# Altium PCB LAB_B3_209_V2.PcbDoc (part 1 of 4) (continued)
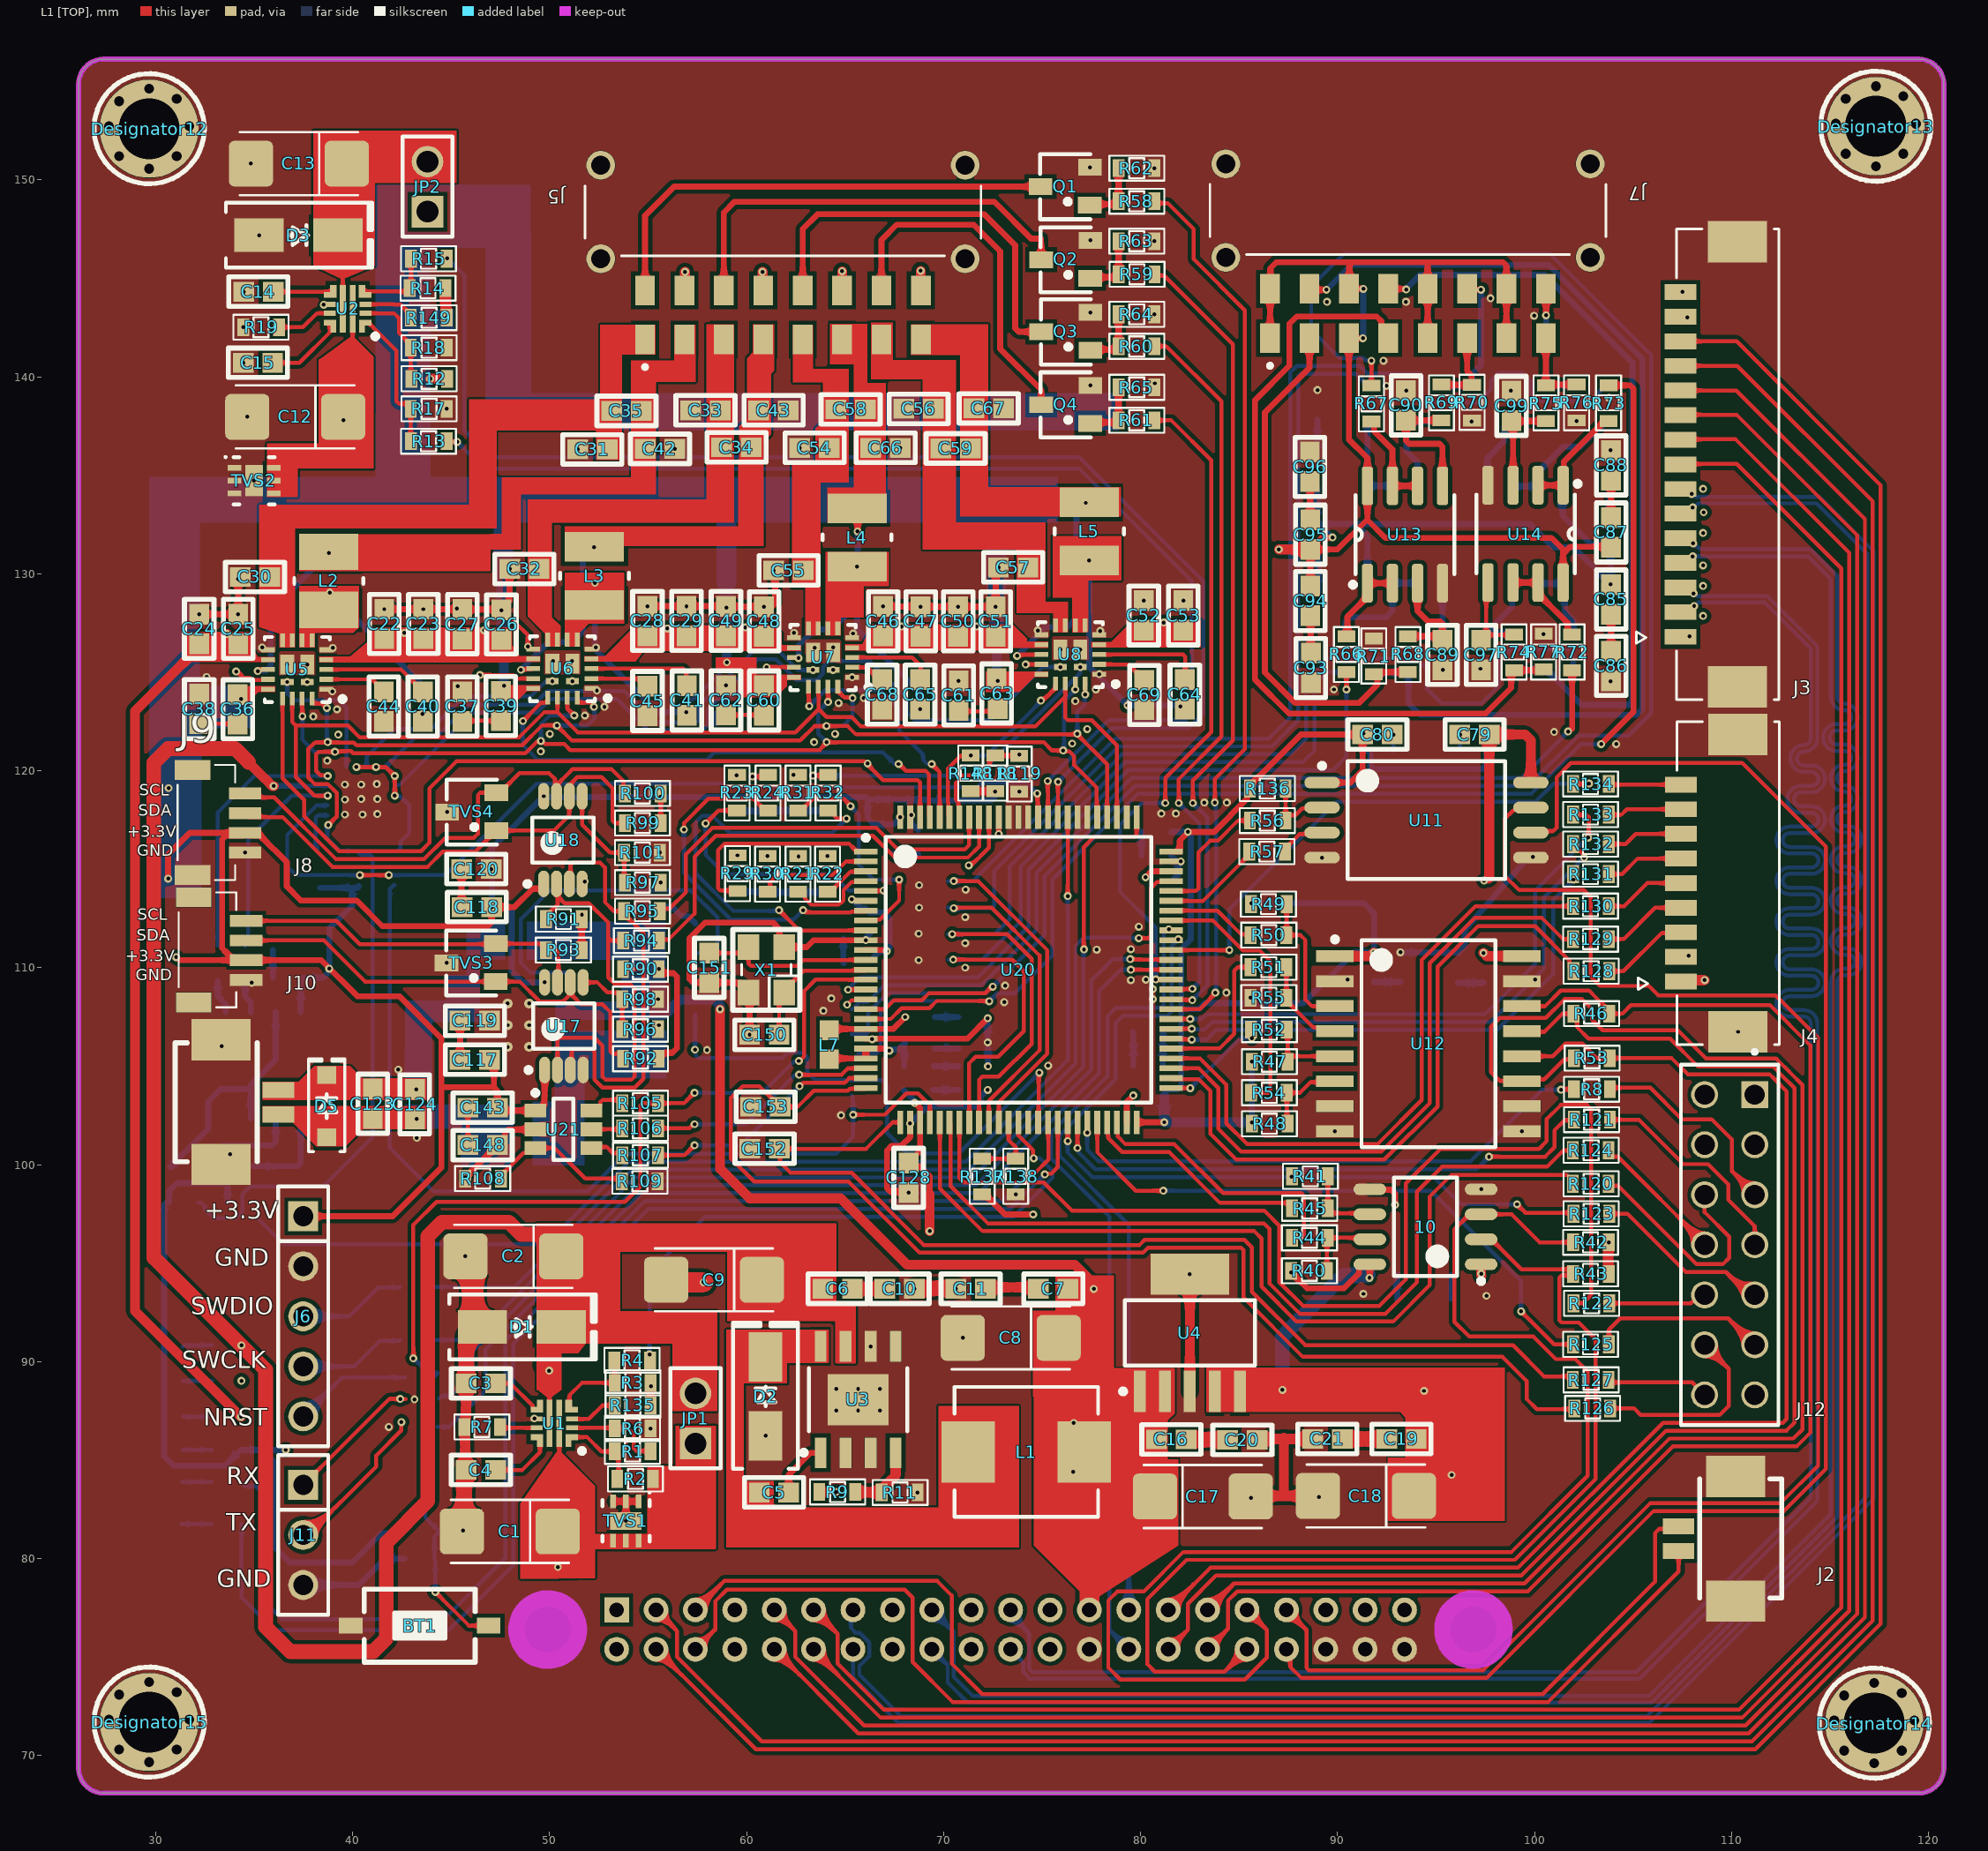
[diagram p0: L1 [TOP] view]
## Components (designator, comment, footprint, x,y, rotation, side; value= is the part's Value field where it differs from the comment) (continued)
C105 "0.22uF/10V" CAP-CER-0603#1 95.352,125.882 r270 bottom
C106 "0.22uF/10V" CAP-CER-0603#1 69.494,110.414 r180 bottom
C107 "0.22uF/10V" CAP-CER-0603#1 93.497,138.557 r90 bottom
C108 "0.22uF/10V" CAP-CER-0603#1 69.469,113.055 r180 bottom
C109 "0.22uF/10V" CAP-CER-0603#1 88.976,131.775 r270 bottom
C110 "0.22uF/10V" CAP-CER-0603#1 89.027,128.321 r270 bottom
C111 "0.22uF/10V" CAP-CER-0603#1 88.976,135.128 r90 bottom
C112 "0.22uF/10V" CAP-CER-0603#1 88.976,138.582 r90 bottom
C113 "0.22uF/10V" CAP-CER-0603#1 97.257,125.933 r270 bottom
C114 "0.22uF/10V" CAP-CER-0603#1 69.469,111.709 r180 bottom
C115 "0.22uF/10V" CAP-CER-0603#1 98.806,138.557 r90 bottom
C116 "0.22uF/10V" CAP-CER-0603#1 69.469,114.402 r180 bottom
C117 "0.22uF/10V" CAP-CER-0603#1 46.203,105.334 r180 top
C118 "1uF/10V" CAP-CER-0603#1 46.304,113.081 r180 top
C119 "0.22uF/10V" CAP-CER-0603#1 46.203,107.315 r0 top
C120 "1uF/10V" CAP-CER-0603#1 46.279,115.011 r0 top
C121 "4.7uF/10V" CAP-CER-0603#1 53.797,112.344 r90 bottom
C122 "0.1uF/10V" CAP-CER-0603#1 68.91,144.526 r270 bottom
C123 "1uF/10V" CAP-CER-0603#1 41.021,103.099 r270 top
C124 "1uF/10V" CAP-CER-0603#1 43.155,103.073 r270 top
C125 "470nF/10V" CAP-CER-0603#1 57.379,111.5 r90 bottom
C126 "0.22uF/10V" CAP-CER-0603#1 81.128,104.292 r90 bottom
C127 "0.22uF/10V" CAP-CER-0603#1 67.462,116.535 r270 bottom
C128 "4.7uF/10V" CAP-CER-0603#1 68.224,99.339 r270 top
C129 "0.22uF/10V" CAP-CER-0603#1 80.366,106.629 r180 bottom
C130 "0.22uF/10V" CAP-CER-0603#1 68.707,116.51 r90 bottom
C131 "1uF/10V" CAP-CER-0603#1 68.8,106.2 r0 bottom
C132 "1uF/10V" CAP-CER-0603#1 68.7,103.8 r0 bottom
C133 "0.22uF/10V" CAP-CER-0603#1 68.75,105 r0 bottom
C134 "1uF/10V" CAP-CER-0603#1 80.797,114.402 r0 bottom
C135 "1uF/10V" CAP-CER-0603#1 79.629,104.267 r90 bottom
C136 "0.22uF/10V" CAP-CER-0603#1 80.8,116.9 r180 bottom
C137 "0.22uF/10V" CAP-CER-0603#1 65.684,110.541 r180 bottom
C138 "0.22uF/10V" CAP-CER-0603#1 68.8,107.5 r0 bottom
C139 "0.1uF/10V" CAP-CER-0603#1 64.795,144.577 r270 bottom
C140 "1uF/10V" CAP-CER-0603#1 71.5,103.8 r0 bottom
C141 "1uF/10V" CAP-CER-0603#1 71.5,106.2 r0 bottom
C142 "0.22uF/10V" CAP-CER-0603#1 71.5,105 r0 bottom
C143 "0.22uF/10V" CAP-CER-0603#1 46.6,102.9 r180 top
C144 "0.22uF/10V" CAP-CER-0603#1 80.8,115.7 r0 bottom
C145 "0.22uF/10V" CAP-CER-0603#1 65.634,111.862 r0 bottom
C146 "0.22uF/10V" CAP-CER-0603#1 71.5,107.5 r0 bottom
C148 "0.22uF/10V" CAP-CER-0603#1 46.6,101 r0 top
C149 "0.22uF/10V" CAP-CER-0603#1 43.4,80 r180 bottom
C150 "12pF/10V" CAP-CER-0603#1 60.9,106.6 r180 top
C151 "12pF/10V" CAP-CER-0603#1 58.1,110 r270 top
C152 "0.22uF/10V" CAP-CER-0603#1 60.909,100.813 r180 top
C153 "0.22uF/10V" CAP-CER-0603#1 60.96,102.946 r180 top
C154 "0.1uF/10V" CAP-CER-0603#1 55.321,112.344 r90 bottom
C155 "0.22uF/10V" CAP-CER-0603#1 36.703,109.499 r180 bottom
C156 "0.22uF/10V" CAP-CER-0603#1 36.703,110.896 r0 bottom
D1 "SS54" "DIODE SMA" 48.59,91.77 r0 top
D2 "SS54" "DIODE SMA" 60.96,88.24 r90 top
D3 "SS54" "DIODE SMA" 37.247,147.197 r0 top
D4 "SS54" "DO-214AC-2 (SMA)" 54.762,107.036 r90 bottom
D5 "1N4148W-TP" "DIODE SOD-123" 38.684,102.972 r90 top
Designator12 "Comment" HOLE 32.334,152.984 r0 top
Designator13 "Comment" HOLE 119.99,153.111 r0 top
Designator14 "Comment" HOLE 119.913,72.034 r0 top
Designator15 "Comment" HOLE 32.334,72.085 r0 top
DS1 "RED" LED-SMD-0603 33.604,90.83 r180 bottom
DS2 "RED" LED-SMD-0603 33.604,89.027 r180 bottom
DS3 "RED" LED-SMD-0603 33.579,87.198 r180 bottom
DS4 "YELLOW" LED-SMD-0603 33.604,85.522 r180 bottom
DS5 "GREEN" LED-SMD-0603 33.591,83.896 r180 bottom
DS6 "BLUE" LED-SMD-0603 33.579,81.763 r180 bottom
J1 "M80-5114242" HARWIN_M80-5114242 73.4,76.4 r0 bottom
J2 "0532610271" CON4_653104131822_SMD 108.763,82.271 r90 top
J3 "532611571" MOLEX_532611571 109.804,135.56 r90 top
J4 "532610971" MOLEX_532610971 109.83,114.3 r90 top
J5 "M80-6661642" HARWIN_M80-6661642 61.845,148.749 r180 top
J6 "JP5" "JP 1x5 CT" 37.49,97.384 r270 top
J7 "M80-6661642" HARWIN_M80-6661642 93.574,148.819 r180 top
J8 "BM04B-SRSS-TB" BM04B-SRSS-TB 34.595,109.515 r90 top
J9 "BM04B-SRSS-TB" BM04B-SRSS-TB 34.544,115.976 r90 top
J10 "532610271" CON4_653104131822_SMD 34.775,101.925 r270 top
J11 "JP3" "JP 1x3 CT" 37.49,83.744 r270 top
J12 "ESQ-107-48-G-D" SAMTEC_ESQ-107-48-G-D 111.176,103.556 r90 top
JP1 "JP 1x2 2.54" "JP 1x2 DT" 57.404,85.852 r90 top
JP2 "JP 1x2 2.54" "JP 1x2 DT" 43.8,148.39 r90 top
L1 "INDUCT-SMD" "INDUCTOR-FIXED IND 22UH 2.5A 170 MOHM SMD" 74.193,85.42 r0 top
L2 "1uH" "INDUCTOR-FIXED IND 1UH 4A 38 MOHM SMD"#1 38.786,129.642 r90 top
L3 "1uH" "INDUCTOR-FIXED IND 1UH 4A 38 MOHM SMD"#2 52.273,129.896 r90 top
L4 "1uH" "INDUCTOR-FIXED IND 1UH 4A 38 MOHM SMD"#2 65.608,131.851 r90 top
L5 "1uH" "INDUCTOR-FIXED IND 1UH 4A 38 MOHM SMD"#2 77.394,132.156 r90 top
L6 "82uH" INDUCTOR-SRR4828A-820M 48.641,101.524 r180 bottom
L7 "10uH/250mA" INDUCT-SMD-0603 64.2,106.1 r270 top
Q1 "AO3400A" SOT-23 76.175,149.657 r90 top
Q2 "AO3400A" SOT-23 76.2,145.948 r90 top
Q3 "3" SOT-23 76.205,142.286 r90 top
Q4 "AO3400A" SOT-23 76.2,138.582 r90 top
R1 "11K" RES-SMD-0603 54.204,85.446 r0 top
R2 "470K" RES-SMD-0603 54.356,84.049 r180 top
R3 "10K" RES-SMD-0603 54.229,88.925 r180 top
R4 "22R" RES-SMD-0603 54.178,90.068 r0 top
R5 "4.7K" RES-SMD-0603 30.429,90.78 r0 bottom
R6 "47K" RES-SMD-0603 54.204,86.614 r0 top
R7 "1K" RES-SMD-0603 46.558,86.69 r0 top
R8 "22R" RES-SMD-0603 102.895,103.835 r0 top
R9 "10K" RES-SMD-0603 64.618,83.388 r180 top
R10 "2.2K" RES-SMD-0603 30.404,89.002 r0 bottom
R11 "3.24K" RES-SMD-0603 67.793,83.363 r180 top
R12 "470K" RES-SMD-0603 43.876,139.907 r0 top
R13 "120R" RES-SMD-0603 43.851,136.732 r0 top
R14 "10K" RES-SMD-0603 43.825,144.504 r180 top
R15 "22R" RES-SMD-0603 43.851,146.003 r0 top
R16 "2.2K" RES-SMD-0603 30.378,87.198 r0 bottom
R17 "10K" RES-SMD-0603 43.876,138.383 r180 top
R18 "130K" RES-SMD-0603 43.876,141.482 r180 top
R19 "1K" RES-SMD-0603 35.342,142.523 r0 top
R20 "2.2K" RES-SMD-0603 30.429,85.522 r0 bottom
R21 "22R" RES-SMD-0603 62.611,114.757 r90 top
R22 "22R" RES-SMD-0603 64.11,114.757 r90 top
R23 "22R" RES-SMD-0603 59.512,118.872 r90 top
R24 "22R" RES-SMD-0603 61.087,118.872 r90 top
R25 "10K" RES-SMD-0603 64.084,114.732 r90 bottom
R26 "10K" RES-SMD-0603 61.087,118.872 r90 bottom
R27 "10K" RES-SMD-0603 62.636,114.732 r90 bottom
R28 "10K" RES-SMD-0603 59.487,118.847 r90 bottom
R29 "22R" RES-SMD-0603 59.538,114.783 r90 top
R30 "22R" RES-SMD-0603 61.062,114.757 r90 top
R31 "22R" RES-SMD-0603 62.611,118.872 r90 top
R32 "22R" RES-SMD-0603 64.135,118.872 r90 top
R33 "10K" RES-SMD-0603 59.512,114.783 r90 bottom
R34 "10K" RES-SMD-0603 62.611,118.872 r90 bottom
R35 "10K" RES-SMD-0603 61.087,114.732 r90 bottom
R36 "10K" RES-SMD-0603 64.135,118.872 r90 bottom
R37 "4.7K" RES-SMD-0603 37.897,114.986 r270 bottom
R38 "4.7K" RES-SMD-0603 40.259,114.986 r270 bottom
R39 "22R" RES-SMD-0603 42.266,114.986 r90 bottom
R40 "4.7K" RES-SMD-0603 88.57,94.615 r180 top
R41 "4.7K" RES-SMD-0603 88.621,99.416 r180 top
R42 "10K" RES-SMD-0603 102.845,96.063 r0 top
R43 "10K" RES-SMD-0603 102.845,94.463 r0 top
R44 "22R" RES-SMD-0603 88.57,96.291 r0 top
R45 "22R" RES-SMD-0603 88.583,97.79 r0 top
R46 "120R" RES-SMD-0603 102.895,107.671 r180 top
R47 "4.7K" RES-SMD-0603 86.538,105.232 r0 top
R48 "4.7K" RES-SMD-0603 86.538,102.083 r0 top
R49 "4.7K" RES-SMD-0603 86.487,113.233 r0 top
R50 "22R" RES-SMD-0603 86.512,111.658 r180 top
R51 "22R" RES-SMD-0603 86.512,110.033 r180 top
R52 "22R" RES-SMD-0603 86.538,106.858 r180 top
R53 "120R" RES-SMD-0603 102.921,105.41 r180 top
R54 "22R" RES-SMD-0603 86.538,103.657 r180 top
R55 "4.7K" RES-SMD-0603 86.512,108.483 r180 top
R56 "22R" RES-SMD-0603 86.436,117.475 r0 top
R57 "22R" RES-SMD-0603 86.411,115.9 r0 top
R58 "120R" RES-SMD-0603 79.807,148.92 r180 top
R59 "120R" RES-SMD-0603 79.819,145.212 r180 top
R60 "120R" RES-SMD-0603 79.807,141.554 r180 top
R61 "120R" RES-SMD-0603 79.807,137.795 r180 top
R62 "10K" RES-SMD-0603 79.807,150.597 r180 top
R63 "10K" RES-SMD-0603 79.807,146.888 r180 top
R64 "10K" RES-SMD-0603 79.807,143.18 r180 top
R65 "10K" RES-SMD-0603 79.807,139.471 r180 top
R66 "22R" RES-SMD-0603 90.449,125.908 r90 top
R67 "22R" RES-SMD-0603 91.719,138.633 r90 top
R68 "22R" RES-SMD-0603 93.574,125.908 r90 top
R69 "22R" RES-SMD-0603 95.275,138.684 r90 top
R70 "10K" RES-SMD-0603 96.825,138.709 r270 top
R71 "10K" RES-SMD-0603 91.839,125.832 r270 top
R72 "22R" RES-SMD-0603 101.905,126.035 r270 top
R73 "22R" RES-SMD-0603 103.759,138.684 r270 top
R74 "22R" RES-SMD-0603 98.958,126.035 r270 top
R75 "22R" RES-SMD-0603 100.584,138.684 r270 top
R76 "10K" RES-SMD-0603 102.133,138.684 r90 top
R77 "10K" RES-SMD-0603 100.457,126.035 r90 top
R78 "22R" RES-SMD-0603 90.424,125.933 r270 bottom
R79 "22R" RES-SMD-0603 93.345,125.933 r270 bottom
R80 "22R" RES-SMD-0603 91.694,138.659 r270 bottom
R81 "22R" RES-SMD-0603 95.326,138.684 r270 bottom
R82 "10K" RES-SMD-0603 91.839,125.832 r90 bottom
R83 "10K" RES-SMD-0603 96.799,138.633 r90 bottom
R84 "22R" RES-SMD-0603 101.956,125.984 r90 bottom
R85 "22R" RES-SMD-0603 103.784,138.659 r90 bottom
R86 "22R" RES-SMD-0603 98.933,126.035 r90 bottom
R87 "22R" RES-SMD-0603 100.584,138.659 r90 bottom
R88 "10K" RES-SMD-0603 100.457,126.06 r270 bottom
R89 "10K" RES-SMD-0603 102.133,138.684 r270 bottom
R90 "4.7K" RES-SMD-0603 54.61,109.931 r0 top
R91 "4.7K" RES-SMD-0603 50.698,112.471 r0 top
R92 "4.7K" RES-SMD-0603 54.61,105.385 r0 top
R93 "4.7K" RES-SMD-0603 50.698,110.896 r0 top
R94 "22R" RES-SMD-0603 54.661,111.379 r180 top
R95 "22R" RES-SMD-0603 54.712,112.878 r180 top
R96 "22R" RES-SMD-0603 54.61,106.883 r180 top
R97 "22R" RES-SMD-0603 54.712,114.325 r0 top
R98 "10K" RES-SMD-0603 54.61,108.407 r180 top
R99 "4.7K" RES-SMD-0603 54.712,117.348 r0 top
R100 "4.7K" RES-SMD-0603 54.712,118.847 r0 top
R101 "10K" RES-SMD-0603 54.712,115.849 r180 top
R102 "0.2R" RES_1206 48.285,111.379 r180 bottom
R103 "1K" RES-SMD-0603 57.379,108.56 r270 bottom
R104 "10K" RES-SMD-0603 57.379,105.715 r90 bottom
R105 "22R" RES-SMD-0603 54.61,103.124 r180 top
R106 "22R" RES-SMD-0603 54.61,101.854 r180 top
R107 "22R" RES-SMD-0603 54.61,100.482 r180 top
R108 "16.5k 1%" RES-SMD-0603 46.6,99.3 r0 top
R109 "19.1k 1%" RES-SMD-0603 54.585,99.162 r180 top
R110 "10K" RES-SMD-0603 43.4,81.3 r0 bottom
R111 "2.2K" RES-SMD-0603 30.455,83.896 r0 bottom
R112 "2.2K" RES-SMD-0603 30.429,81.763 r180 bottom
R113 "22R" RES-SMD-0603 43.409,88.113 r0 bottom
R114 "22R" RES-SMD-0603 43.383,86.69 r0 bottom
R115 "22R" RES-SMD-0603 43.3,93.8 r0 bottom
R116 "22R" RES-SMD-0603 43.3,91.1 r0 bottom
R117 "22R" RES-SMD-0603 43.383,89.408 r0 bottom
R118 "10K/DNP" RES-SMD-0603 72.619,119.888 r270 top
R119 "10K" RES-SMD-0603 73.838,119.837 r90 top
R120 "22R" RES-SMD-0603 102.87,99.035 r180 top
R121 "22R" RES-SMD-0603 102.895,102.286 r0 top
R122 "22R" RES-SMD-0603 102.895,92.964 r180 top
R123 "22R" RES-SMD-0603 102.87,97.511 r0 top
R124 "22R" RES-SMD-0603 102.87,100.736 r180 top
R125 "22R" RES-SMD-0603 102.845,90.881 r0 top
R126 "22R" RES-SMD-0603 102.946,87.63 r180 top
R127 "22R" RES-SMD-0603 102.87,89.078 r180 top
R128 "22R" RES-SMD-0603 102.87,109.83 r0 top
R129 "22R" RES-SMD-0603 102.845,111.455 r0 top
R130 "22R" RES-SMD-0603 102.845,113.132 r0 top
R131 "22R" RES-SMD-0603 102.845,114.757 r0 top
R132 "22R" RES-SMD-0603 102.845,116.281 r0 top
R133 "22R" RES-SMD-0603 102.845,117.78 r0 top
R134 "22R" RES-SMD-0603 102.845,119.329 r0 top
R135 "10K" RES-SMD-0603 54.229,87.782 r180 top
R136 "4.7K" RES-SMD-0603 86.436,119.101 r0 top
R137 "10K/DNP" RES-SMD-0603 71.958,99.416 r270 top
R138 "10K/DNP" RES-SMD-0603 73.66,99.416 r270 top
R139 "4.7K" RES-SMD-0603 33.655,99.035 r270 bottom
R140 "4.7K" RES-SMD-0603 30.683,99.035 r270 bottom
R141 "22R" RES-SMD-0603 35.179,99.035 r270 bottom
R142 "22R" RES-SMD-0603 34.544,110.185 r90 bottom
R143 "22R" RES-SMD-0603 33.147,110.211 r90 bottom
R144 "22R" RES-SMD-0603 32.156,99.009 r270 bottom
R145 "4.7K" RES-SMD-0603 66.167,119.456 r270 bottom
R146 "4.7K" RES-SMD-0603 67.666,119.456 r270 bottom
R147 "4.7K" RES-SMD-0603 69.19,119.456 r270 bottom
R148 "4.7K" RES-SMD-0603 71.374,119.888 r270 top
R149 "10K" RES-SMD-0603 43.876,143.006 r180 top
TVS1 "TVS2200DRVR" TVS2200DRVR 53.873,81.915 r270 top
TVS2 "TVS2200DRVR" TVS2200DRVR 34.997,134.732 r0 top
TVS3 "DIODE-S2303" "DIODE SOT23" 46.019,110.241 r90 top
TVS4 "DIODE-S2303" "DIODE SOT23" 46.05,117.907 r90 top
U1 "TPS259470ARPWR" VQFN-HR-10#1 50.237,86.868 r180 top
U2 "TPS259470ARPWR" VQFN-HR-10#2 39.747,143.459 r180 top
U3 "TPS5430DDAR" TPS5430DDAR 65.659,88.08 r90 top
U4 "TPS7A4533DCQR" TPS7A4533DCQR 82.499,91.465 r90 top
U5 "LT8722AV#PBF" LT8722AV#PBF 37.186,125.146 r180 top
U6 "LT8722AV#PBF" LT8722AV#PBF 50.646,125.187 r180 top
U7 "LT8722AV#PBF" LT8722AV#PBF 63.881,125.755 r180 top
U8 "LT8722AV#PBF" LT8722AV#PBF 76.433,125.906 r180 top
U9 "ADG1414BCPZ-REEL7" ADG1414BCPZ-REEL7 40.437,118.491 r270 bottom
U11 "ISO1042BQDWVRQ1" ISO1042BQDWVRQ1 94.513,117.5 r0 top
U12 "ISO1432DW" ISO1432DW 94.615,106.147 r0 top
U13 "OPA2340UA" SOIC-8 93.421,131.998 r0 top
U14 "OPA2340UA" SOIC-8 99.543,132.029 r180 top
U15 "OPA2340UA" SOIC-8 93.421,132.004 r0 bottom
U16 "OPA2340UA" SOIC-8 99.492,131.978 r180 bottom
U17 "PCA9508DP,118" PCA9508DP,118 50.724,107.036 r90 top
U18 "PCA9508DP,118" PCA9508DP,118 50.673,116.484 r90 top
U19 "AL8843SP-13" AL8843SP-13 48.412,107.086 r0 bottom
U20 "STM32F407VGT7" STM-LQFP100_V 73.8,109.9 r0 top
U21 "TPL5010DDCR" TPL5010DDCR 50.7,101.8 r0 top
U22 "MB85RS2MTAPNF-G-BDERE1" MB85RS2MTAPNF-G-BDERE1 35.458,105.054 r90 bottom
X1 "8MHz" CRYSTAL-4POS-3.2x2.5 61,109.9 r90 top

## Footprints (in the part's own frame and the unit in brackets; to place one, negate y for a bottom-side part, rotate by r counter-clockwise, add the part's x,y. Pads: shape width x height; smd on the part's side, far side on the other; paste and mask are expansions set on the pad)
ADG1414BCPZ-REEL7 [mm] "PQFN, 24-Leads, Body 4.00x4.00mm, Pitch 0.50mm, Thermal Pad 2.50x2.50mm, IPC Medium Density"
  oval 0.4x0.35 smd: 1(-1.7,1.25) 2(-1.7,0.75) 3(-1.7,0.25) 4(-1.7,-0.25) 5(-1.7,-0.75) 6(-1.7,-1.25) 13(1.7,-1.25) 14(1.7,-0.75) 15(1.7,-0.25) 16(1.7,0.25) 17(1.7,0.75) 18(1.7,1.25)
  oval 0.35x0.4 smd: 7(-1.25,-1.7) 8(-0.75,-1.7) 9(-0.25,-1.7) 10(0.25,-1.7) 11(0.75,-1.7) 12(1.25,-1.7) 19(1.25,1.7) 20(0.75,1.7) 21(0.25,1.7) 22(-0.25,1.7) 23(-0.75,1.7) 24(-1.25,1.7)
  rect 2.5x2.5 smd: 25(0,0)
  silkscreen extent -2.77,-2 2,2, body extent -2,-2 2,2, height 0.75
ADUM1250WSRZ [mm]
  oval 1.65x0.6 smd: 1(-2.825,1.905) 2(-2.825,0.635) 3(-2.825,-0.635) 4(-2.825,-1.905) 5(2.825,-1.905) 6(2.825,-0.635) 7(2.825,0.635) 8(2.825,1.905)
  silkscreen extent -2.95,-2.5 1.6,2.88, body extent -3,-2.5 3,2.5, height 1.75
AL8843SP-13 [mm]
  oval 1.55x0.7 smd: 1(-2.725,1.905) 2(-2.725,0.635) 3(-2.725,-0.635) 4(-2.725,-1.905) 5(2.725,-1.905) 6(2.725,-0.635) 7(2.725,0.635) 8(2.725,1.905)
  rect 2.41x3.05 smd: 9(0,0)
  silkscreen extent -2.85,-2.5 1.55,2.93, body extent -3.05,-2.5 3.05,2.5, height 1.63
BM04B-SRSS-TB [mm]
  rect 0.6x1.64 smd: 1(-0.127,0) 2(0.873,0) 3(1.873,0) 4(2.873,0)
  rect 1x1.8 smd: MH(-1.27,2.667) MH(4.064,2.667)
  silkscreen extent -1.52,0.51 4.32,3.43, body extent -1.52,0.51 4.32,3.43, height 6.3
CAP-CER-0603#1 [mm] "Chip Capacitor, 2-Leads, Body 1.60x0.80mm, IPC Medium Density"
  rect 1.05x1 smd: 1(-0.75,0) 2(0.75,0)
  silkscreen extent -1.5,-0.75 1.5,0.75, body extent -0.87,-0.48 0.87,0.48, height 0.95
CAP-CER-0603#2 [mm] "Chip Capacitor, 2-Leads, Body 1.60x0.80mm, IPC Medium Density"
  rect 1.05x1 smd: 1(-0.762,-0.051) 2(0.75,0)
  silkscreen extent -1.5,-0.75 1.5,0.75, body extent -0.87,-0.48 0.87,0.48, height 0.95
CAP-TAN-2312 [mm]
  rrect25% 2.24x2.32 smd: 1(-2.435,0) 2(2.435,0)
  silkscreen extent -3,-1.6 3,1.6, body extent -3,-1.6 3,1.6, height 2.8
CON4_653104131822_SMD [mm] "CONNECTOR"
  rect 0.81x1.6 smd: 1(-1.875,1.45) 2(-0.625,1.45)
  rect 2.1x3 smd: 3(-4.425,-1.45) 4(1.905,-1.45)
  silkscreen extent -4.27,-3.78 1.78,0.38, body extent -4.19,-3.73 1.65,0.43, height 1.25
CRYSTAL-4POS-3.2x2.5 [mm]
  rect 1.3x1.1 smd: 1(-1.15,-0.9) 2(1.15,-0.9) 3(1.15,0.9) 4(-1.15,0.9)
  silkscreen extent -2.06,-1.73 2.05,1.7, body extent -1.6,-1.25 1.6,1.25, height 0.8
"DIODE SMA" [mm] "SMA"
  rect 2.5x1.7 smd: 1(-2,0) 2(2,0)
  silkscreen extent -3.68,-1.65 3.75,1.65, body extent -2.6,-1.37 2.6,1.37, height 2.4
"DIODE SOD-123" [mm] "SOD-123"
  rect 0.9x0.95 smd: 1(-1.575,0) 2(1.575,0)
  silkscreen extent -2.3,-0.92 2.41,0.92, body extent -1.86,-0.78 1.86,0.77, height 1.35
"DIODE SOT23" [mm] "SOT 23 _ 1-3-2"
  rect 0.85x1.2 smd: 1(-0.94,-1.245) 2(0.985,-1.25) 3(0.005,1.25)
  silkscreen extent -1.65,-1.27 1.65,1.27, body extent -1.47,-1.33 1.53,1.17, height 1.06
"DO-214AC-2 (SMA)" [mm]
  rrect25% 1.27x2.1 smd: A(-1.985,0) K(1.985,0)
  silkscreen extent -3,-1.5 3,1.5, body extent -2.6,-1.3 2.6,1.3, height 2.42
HARWIN_M80-5114242 [mm]
  rect 1.258x1.258 / inner round 1.258 / far side rect 1.258x1.258 hole 0.75: 1(-20,-1)
  round 1.258 hole 0.75: 2(-18,-1) 3(-16,-1) 4(-14,-1) 5(-12,-1) 6(-10,-1) 7(-8,-1) 8(-6,-1) 9(-4,-1) 10(-2,-1) 11(0,-1) 12(2,-1) 13(4,-1) 14(6,-1) 15(8,-1) 16(10,-1) 17(12,-1) 18(14,-1) 19(16,-1) 20(18,-1) 21(20,-1) 22(-20,1) 23(-18,1) 24(-16,1) 25(-14,1) 26(-12,1) 27(-10,1) 28(-8,1) 29(-6,1) 30(-4,1) 31(-2,1) 32(0,1) 33(2,1) 34(4,1) 35(6,1) 36(8,1) 37(10,1) 38(12,1) 39(14,1) 40(16,1) 41(18,1) 42(20,1)
  round 2.3 hole 2.3 unplated: ""(-23.5,0) ""(23.5,0)
  Keep-Out Layer circle w2: c23.5,0 r1
  Keep-Out Layer circle w2: c-23.5,0 r1
  Keep-Out Layer circle w2: c-23.5,0 r1
  Keep-Out Layer circle w2: c23.5,0 r1
  silkscreen extent -26,-3.4 26,3.27
HARWIN_M80-6661642 [mm]
  rect 1x1.5 smd: 1(7,6.85) 2(5,6.85) 3(3,6.85) 4(1,6.85) 5(-1,6.85) 6(-3,6.85) 7(-5,6.85) 8(-7,6.85) 9(7,4.35) 10(5,4.35) 11(3,4.35) 12(1,4.35) 13(-1,4.35) 14(-3,4.35) 15(-5,4.35) 16(-7,4.35)
  round 1.458 hole 0.95: SH1(-9.25,2.75) SH2(9.25,2.75) SH3(-9.25,-2) SH4(9.25,-2)
  silkscreen extent -10.05,-0.95 10.05,8.35
HOLE [mm]
  round 0.5 hole 0.5: Hole(-4.699,-0.254) Hole(-4.191,-1.778) Hole(-4.191,1.016) Hole(-2.667,-2.413) Hole(-2.667,1.651) Hole(-1.27,-1.778) Hole(-1.27,1.143) Hole(-0.635,-0.254)
  round 5 hole 3.1: Hole(-2.667,-0.381)
  silkscreen extent -5.46,-3.18 0.13,2.41
INDUCT-SMD-0603 [mm]
  rect 1x0.97 smd: 1(-0.735,0) 2(0.735,0)
  body extent -0.8,-0.4 0.8,0.4, height 0.95
"INDUCTOR-FIXED IND 1UH 4A 38 MOHM SMD"#1 [mm]
  rect 1.85x3 smd: 1(-1.475,0) 2(1.475,0)
  silkscreen extent -0.15,-1.75 0.15,1.75, body extent -1.85,-1.75 1.85,1.75, height 2.1
"INDUCTOR-FIXED IND 1UH 4A 38 MOHM SMD"#2 [mm]
  rect 1.5x3 smd: 1(-1.475,0) 2(1.475,0)
  silkscreen extent -0.15,-1.75 0.15,1.75, body extent -1.85,-1.75 1.85,1.75, height 2.1
"INDUCTOR-FIXED IND 22UH 2.5A 170 MOHM SMD" [mm]
  rect 2.7x3.1 smd: 1(-2.95,0) 2(2.95,0)
  silkscreen extent -3.65,-3.3 3.65,3.3, body extent -3.75,-3.3 3.75,3.3, height 4.9
INDUCTOR-SRR4828A-820M [mm] "Precision Wire Wound Inductor, 2-Leads, Body 4.80x4.80mm, IPC Medium Density"
  rect 2.5x3 smd: 1(-1.8,0) 2(1.8,0)
  silkscreen extent -2.4,-2.4 2.4,2.4, body extent -2.5,-2.4 2.5,2.4, height 2.9
ISO1042BQDWVRQ1 [mm]
  oval 1.8x0.6 smd: 1(-5.3,1.905) 2(-5.3,0.635) 3(-5.3,-0.635) 4(-5.3,-1.905) 5(5.3,-1.905) 6(5.3,-0.635) 7(5.3,0.635) 8(5.3,1.905)
  silkscreen extent -5.42,-3 4,3, body extent -5.75,-3 5.75,3, height 2.8
ISO1432DW [mm]
  rect 1.9x0.6 smd: 1(-4.75,4.445) 2(-4.75,3.175) 3(-4.75,1.905) 4(-4.75,0.635) 5(-4.75,-0.635) 6(-4.75,-1.905) 7(-4.75,-3.175) 8(-4.75,-4.445) 9(4.75,-4.445) 10(4.75,-3.175) 11(4.75,-1.905) 12(4.75,-0.635) 13(4.75,0.635) 14(4.75,1.905) 15(4.75,3.175) 16(4.75,4.445)
  silkscreen extent -4.87,-5.25 3.4,5.42, body extent -5.15,-5.25 5.15,5.25, height 2.65
"JP 1x2 DT" [mm] "2 pins, 1 row, straight, gold plating"
  rect 1.6x1.6 hole 1.1: 1(0,0)
  round 1.6 hole 1.1: 2(2.54,0)
  silkscreen extent -1.27,-1.27 3.81,1.27, body extent -1.27,-1.27 3.81,1.27, height 8.54
"JP 1x3 CT" [mm]
  rect 1.52x1.52 hole 1.02: 1(0,0)
  round 1.52 hole 1.02: 2(2.54,0) 3(5.08,0)
  silkscreen extent -1.52,-1.27 6.6,1.27, body extent -1.52,-1.25 6.6,1.25, height 8.51
"JP 1x5 CT" [mm]
  rect 1.52x1.52 hole 1.02: 1(0,0)
  round 1.52 hole 1.02: 2(2.54,0) 3(5.08,0) 4(7.62,0) 5(10.16,0)
  silkscreen extent -1.52,-1.27 11.68,1.27, body extent -1.52,-1.25 11.68,1.25, height 8.51
LED-SMD-0603 [mm]
  rrect53% 0.91x0.83 smd: A(-0.75,0) K(0.75,0)
  silkscreen extent -1.6,-0.64 1.37,0.64, body extent -0.8,-0.4 0.8,0.4, height 0.7
LT8722AV#PBF [mm] "QFN, 18-Leads, Body 3.00x3.00mm, Pitch 0.50mm, Thermal Pad 1.90x1.90mm, IPC Medium Density"
  rect 0.7x0.25 smd: 1(-1.475,1) 2(-1.475,0.5) 3(-1.475,0) 4(-1.475,-0.5) 5(-1.475,-1) 10(1.475,-1) 11(1.475,-0.5) 12(1.475,0) 13(1.475,0.5) 14(1.475,1)
  rect 0.25x0.7 smd: 6(-0.75,-1.475) 7(-0.25,-1.475) 8(0.25,-1.475) 9(0.75,-1.475) 15(0.75,1.475) 16(0.25,1.475) 17(-0.25,1.475) 18(-0.75,1.475)
  rect 0.65x0.3 smd: 19(-0.508,0.635) 20(0.508,0.635)
  rect 0.7x1 smd: 21(-0.508,-0.254) 22(0.508,-0.254)
  silkscreen extent -2.43,-1.65 1.65,1.65, body extent -1.52,-1.52 1.52,1.52, height 0.95
MB85RS2MTAPNF-G-BDERE1 [mm] "SOP, 8-Leads, Body 4.90x3.90mm, Pitch 1.27mm, IPC Medium Density"
  oval 1.5x0.6 smd: 1(-2.7,1.905) 2(-2.7,0.635) 3(-2.7,-0.635) 4(-2.7,-1.905) 5(2.7,-1.905) 6(2.7,-0.635) 7(2.7,0.635) 8(2.7,1.905)
  silkscreen extent -2.82,-2.45 1.55,2.88, body extent -3,-2.45 3,2.45, height 1.73
MOLEX_532610971 [mm]
  rect 0.8x1.6 smd mask+0.076: 1(-5,2.4) 2(-3.75,2.4) 3(-2.5,2.4) 4(-1.25,2.4) 5(0,2.4) 6(1.25,2.4) 7(2.5,2.4) 8(3.75,2.4) 9(5,2.4)
  rect 2.1x3 smd mask+0.076: S1(-7.55,-0.5) S2(7.55,-0.5)
  silkscreen extent -8.2,-2.6 8.2,4.57
MOLEX_532611571 [mm]
  rect 0.8x1.6 smd mask+0.076: 1(-8.75,2.4) 2(-7.5,2.4) 3(-6.25,2.4) 4(-5,2.4) 5(-3.75,2.4) 6(-2.5,2.4) 7(-1.25,2.4) 8(0,2.4) 9(1.25,2.4) 10(2.5,2.4) 11(3.75,2.4) 12(5,2.4) 13(6.25,2.4) 14(7.5,2.4) 15(8.75,2.4)
  rect 2.1x3 smd mask+0.076: S1(-11.3,-0.5) S2(11.3,-0.5)
  silkscreen extent -11.95,-2.6 11.95,4.64
PCA9508DP,118 [mm]
  oval 1.35x0.55 smd: 1(-2.225,0.975) 2(-2.225,0.325) 3(-2.225,-0.325) 4(-2.225,-0.975) 5(2.225,-0.975) 6(2.225,-0.325) 7(2.225,0.325) 8(2.225,0.975)
  silkscreen extent -2.35,-1.55 1.15,1.92, body extent -2.45,-1.55 2.45,1.55, height 1.1
RES-SMD-0603 [mm]
  rect 0.6x0.9 smd: 1(-0.889,0) 2(0.927,0)
  silkscreen extent -1.4,-0.64 1.4,0.64, body extent -0.8,-0.4 0.8,0.4, height 0.43
RES_1206 [mm]
  rrect25% 1.8x1.84 smd: 1(-1.5,0) 2(1.5,0)
  body extent -1.6,-0.83 1.6,0.83, height 0.57
SAMTEC_ESQ-107-48-G-D [mm]
  rect 1.37x1.37 hole 1.02: 01(0,0)
  round 1.37 hole 1.02: 02(0,2.54) 03(-2.54,0) 04(-2.54,2.54) 05(-5.08,0) 06(-5.08,2.54) 07(-7.62,0) 08(-7.62,2.54) 09(-10.16,0) 10(-10.16,2.54) 11(-12.7,0) 12(-12.7,2.54) 13(-15.24,0) 14(-15.24,2.54)
  silkscreen extent -16.77,-1.2 2.27,3.74
SOIC-8 [mm] "SOIC-8"
  rrect49% 0.57x1.96 smd: 1(-1.905,-2.47) 2(-0.635,-2.47) 3(0.635,-2.47) 4(1.905,-2.47) 5(1.905,2.47) 6(0.635,2.47) 7(-0.635,2.47) 8(-1.905,2.47)
  silkscreen extent -2.77,-2.67 2.5,2, body extent -2.45,-3.08 2.45,2.92, height 1.63
SOT-23 [mm] "SOT 23 _ 1-3-2"
  rect 0.85x1.2 smd: 1(-0.94,-1.245) 2(0.985,-1.25) 3(0.005,1.25)
  silkscreen extent -1.65,-1.27 1.65,1.27, body extent -1.47,-1.33 1.53,1.17, height 1.06
STM-LQFP100_V [mm] "Thin QFP, 100-Leads, Body 14x14mm, Pitch 0.5mm, ST Recommended"
  rect 1.2x0.3 smd: 1(-7.75,6) 2(-7.75,5.5) 3(-7.75,5) 4(-7.75,4.5) 5(-7.75,4) 6(-7.75,3.5) 7(-7.75,3) 8(-7.75,2.5) 9(-7.75,2) 10(-7.75,1.5) 11(-7.75,1) 12(-7.75,0.5) 13(-7.75,0) 14(-7.75,-0.5) 15(-7.75,-1) 16(-7.75,-1.5) 17(-7.75,-2) 18(-7.75,-2.5) 19(-7.75,-3) 20(-7.75,-3.5) 21(-7.75,-4) 22(-7.75,-4.5) 23(-7.75,-5) 24(-7.75,-5.5) 25(-7.75,-6) 51(7.75,-6) 52(7.75,-5.5) 53(7.75,-5) 54(7.75,-4.5) 55(7.75,-4) 56(7.75,-3.5) 57(7.75,-3) 58(7.75,-2.5) 59(7.75,-2) 60(7.75,-1.5) 61(7.75,-1) 62(7.75,-0.5) 63(7.75,0) 64(7.75,0.5) 65(7.75,1) 66(7.75,1.5) 67(7.75,2) 68(7.75,2.5) 69(7.75,3) 70(7.75,3.5) 71(7.75,4) 72(7.75,4.5) 73(7.75,5) 74(7.75,5.5) 75(7.75,6)
  rect 0.3x1.2 smd: 26(-6,-7.75) 27(-5.5,-7.75) 28(-5,-7.75) 29(-4.5,-7.75) 30(-4,-7.75) 31(-3.5,-7.75) 32(-3,-7.75) 33(-2.5,-7.75) 34(-2,-7.75) 35(-1.5,-7.75) 36(-1,-7.75) 37(-0.5,-7.75) 38(0,-7.75) 39(0.5,-7.75) 40(1,-7.75) 41(1.5,-7.75) 42(2,-7.75) 43(2.5,-7.75) 44(3,-7.75) 45(3.5,-7.75) 46(4,-7.75) 47(4.5,-7.75) 48(5,-7.75) 49(5.5,-7.75) 50(6,-7.75) 76(6,7.75) 77(5.5,7.75) 78(5,7.75) 79(4.5,7.75) 80(4,7.75) 81(3.5,7.75) 82(3,7.75) 83(2.5,7.75) 84(2,7.75) 85(1.5,7.75) 86(1,7.75) 87(0.5,7.75) 88(0,7.75) 89(-0.5,7.75) 90(-1,7.75) 91(-1.5,7.75) 92(-2,7.75) 93(-2.5,7.75) 94(-3,7.75) 95(-3.5,7.75) 96(-4,7.75) 97(-4.5,7.75) 98(-5,7.75) 99(-5.5,7.75) 100(-6,7.75)
  silkscreen extent -7.87,-6.75 6.75,6.82, body extent -7,-7 7,7, height 1.6
SW-SMD [mm] "Switch SMD type"
  rect 1.2x0.8 smd: 1(-3.5,0) 2(3.5,0)
  silkscreen extent -2.82,-1.85 2.82,1.85, body extent -3.05,-1.85 3.05,1.85, height 2.5
TPL5010DDCR [mm] "SOT23, 6-Leads, Body 3.05x3.05mm, Pitch 0.95mm, IPC Medium Density"
  rect 1.1x0.7 smd: 1(-1.425,0.95) 2(-1.425,0) 3(-1.425,-0.95) 4(1.425,-0.95) 5(1.425,0) 6(1.425,0.95)
  silkscreen extent -1.55,-1.55 0.5,1.97, body extent -1.52,-1.53 1.52,1.53, height 1.1
TPS7A4533DCQR [mm] "SOT223, 6-Leads, Body 6.50x7.06mm (avg), Pitch 1.27mm, IPC Medium Density"
  rect 2.1x0.6 smd: 1(-2.975,2.54) 2(-2.975,1.27) 3(-2.975,0) 4(-2.975,-1.27) 5(-2.975,-2.54)
  rect 2.1x4 smd: 6(2.975,0)
  silkscreen extent -3.1,-3.3 1.65,3.51, body extent -3.53,-3.3 3.53,3.3, height 1.8
TPS5430DDAR [mm]
  rect 1.55x0.6 smd: 1(-2.7,1.905) 2(-2.7,0.635) 3(-2.7,-0.635) 4(-2.7,-1.905) 5(2.7,-1.905) 6(2.7,-0.635) 7(2.7,0.635) 8(2.7,1.905)
  rect 2.6x3.1 smd: 9(0,0)
  silkscreen extent -2.82,-2.5 1.6,2.88, body extent -3,-2.5 3,2.5, height 1.7
TVS2200DRVR [mm] "SON, 6-Leads, Body 2.00x2.00mm, Pitch 0.65mm, Thermal Pad 1.60x0.89mm, IPC Medium Density"
  rect 0.7x0.3 smd: 1(-0.995,0.65) 2(-0.995,0) 3(-0.995,-0.65) 4(0.995,-0.65) 5(0.995,0) 6(0.995,0.65)
  rect 0.89x1.6 smd: 7(0,0)
  silkscreen extent -1.5,-1.2 1.05,1.25, body extent -1.13,-1.05 1.13,1.05, height 0.8
VQFN-HR-10#1 [mm]
  rect 0.6x0.3 smd: 1(-0.9,0.7) 4(-0.9,-0.7) 7(0.9,-0.7) 10(0.9,0.7)
  rect 0.3x0.65 smd: 1(-0.725,0.875) 10(0.725,0.875)
  rect 0.6x0.25 smd: 2(-0.9,0.225) 3(-0.9,-0.225) 8(0.9,-0.225) 9(0.9,0.225)
  rect 0.35x0.65 smd: 4(-0.725,-0.875)
  rect 0.3x2.4 smd: 5(-0.25,0) 6(0.25,0)
  rect 0.31x0.65 smd: 7(0.725,-0.875)
  silkscreen extent -1.5,1.3 -1.3,1.5, body extent -1.05,-1.05 1.05,1.05, height 1.01
VQFN-HR-10#2 [mm]
  rect 0.6x0.3 smd: 1(-0.9,0.7) 4(-0.9,-0.7) 7(0.9,-0.7) 10(0.9,0.7)
  rect 0.3x0.65 smd: 1(-0.725,0.875) 10(0.725,0.875)
  rect 0.6x0.25 smd: 2(-0.9,0.225) 3(-0.9,-0.225) 8(0.9,-0.225) 9(0.9,0.225)
  rect 0.35x0.65 smd: 4(-0.725,-0.875) 7(0.725,-0.875)
  rect 0.3x2.4 smd: 5(-0.25,0) 6(0.25,0)
  silkscreen extent -1.5,1.3 -1.3,1.5, body extent -1.05,-1.05 1.05,1.05, height 1.01